# KiCad board rgbwstrip120_250_panel.kicad_pcb (continued)
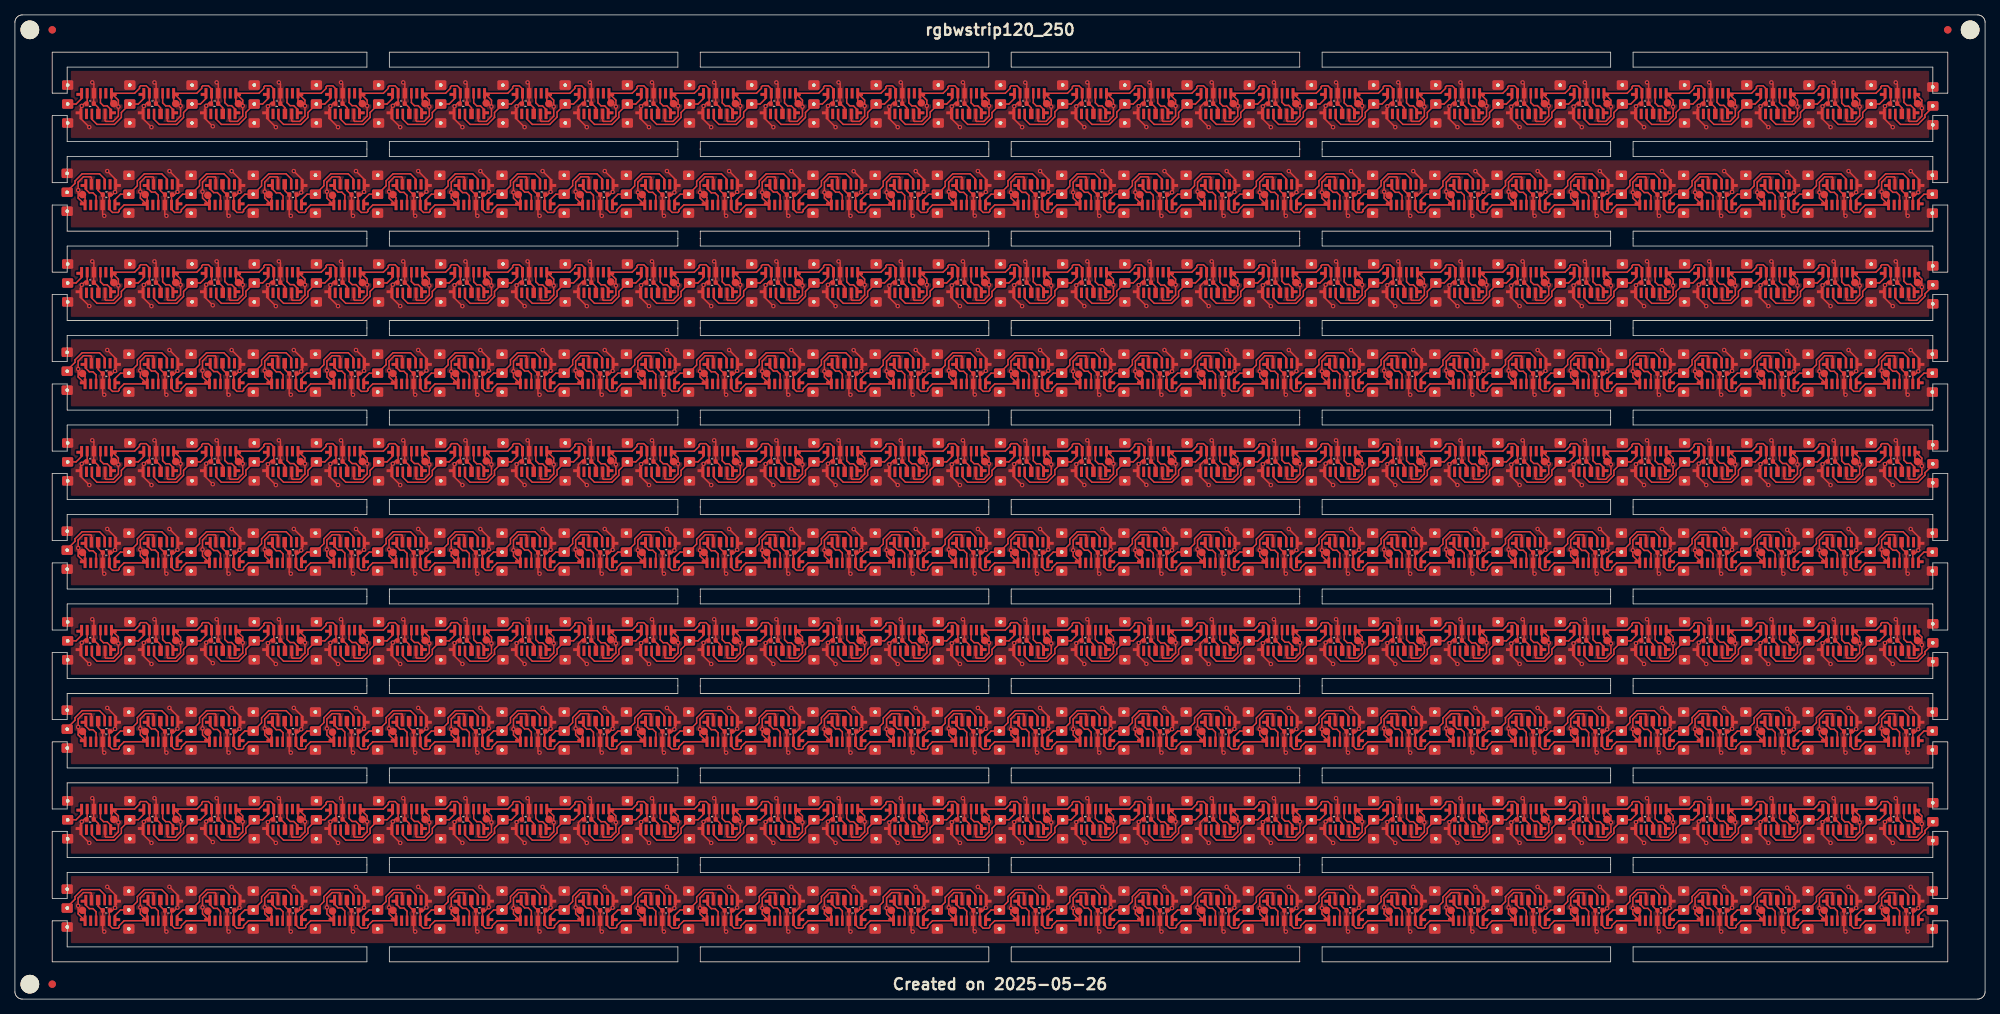
[diagram p0: board, top side]
## Routing (per net, layer and track width the routed paths; a pad name or vN(x,y) marks a point on that pad's centre or on a via; arc(x,y) is an arc through that point) (continued)
Board_3-Net-(U39-DIN): length 3.5
  Top w0.2: 94.22,83.01 94.22,83.72 93.82,84.13 93.32,84.13 92.85,84.6 92.85,85.66
Board_3-Net-(U41-DIN): length 3.5
  Top w0.2: 85.88,83.08 85.88,83.79 85.47,84.2 84.97,84.2 84.5,84.67 84.5,85.73
Board_3-Net-(U43-DIN): length 3.5
  Top w0.2: 77.53,83.08 77.53,83.79 77.12,84.2 76.62,84.2 76.15,84.67 76.15,85.73
Board_3-Net-(U45-DIN): length 3.5
  Top w0.2: 67.83,85.76 67.83,84.7 68.3,84.23 68.8,84.23 69.21,83.82 69.21,83.11
Board_3-Net-(U47-DIN): length 3.5
  Top w0.2: 59.52,85.69 59.52,84.63 59.98,84.17 60.48,84.17 60.89,83.76 60.89,83.04
Board_3-Net-(U49-DIN): length 3.5
  Top w0.2: 51.17,85.73 51.17,84.67 51.63,84.2 52.13,84.2 52.54,83.79 52.54,83.08
Board_3-Net-(U51-DIN): length 3.5
  Top w0.2: 44.21,83.11 44.21,83.82 43.8,84.23 43.3,84.23 42.83,84.7 42.83,85.76
Board_3-Net-(U53-DIN): length 3.5
  Top w0.2: 34.55,85.66 34.55,84.6 35.02,84.13 35.52,84.13 35.92,83.72 35.92,83.01
Board_3-Net-(U55-DIN): length 3.5
  Top w0.2: 27.54,83.04 27.54,83.76 27.13,84.17 26.63,84.17 26.17,84.63 26.17,85.69
Board_3-Net-(U57-DIN): length 3.5
  Top w0.2: 19.21,83.11 19.21,83.82 18.8,84.23 18.3,84.23 17.83,84.7 17.83,85.76
Board_3-Net-(U59-DIN): length 3.5
  Top w0.2: 10.88,83.01 10.88,83.72 10.47,84.13 9.97,84.13 9.5,84.6 9.5,85.66
Board_4-+3.3V: length 592.6
  Top w0.2: 188.08,73.43 188.02,73.49 ; 92.17,70.84 92.17,71.68 v1(92.27,71.78) 92.66,72.17 92.94,72.17 93.02,72.25 U22#3.5 93.02,74.07 92.59,74.5 91.85,74.5 91.7,74.35 91.7,74.15 91.04,73.49 U20#10.1 ; v1(201.63,68.95) 200.5,70.08 U47#7.1 ; 83.83,70.84 83.83,71.68 v1(83.9,71.75) 84.32,72.17 84.6,72.17 84.68,72.25 U20#10.5 84.68,74.07 84.26,74.5 83.51,74.5 83.36,74.35 83.36,74.15 82.71,73.49 U18#8.1 ; v1(251.63,68.95) 250.5,70.08 U59#4.1 ; 108.83,70.84 108.83,71.68 v1(108.95,71.8) 109.32,72.17 109.6,72.17 109.68,72.25 U26.5 109.68,74.07 109.26,74.5 108.51,74.5 108.36,74.35 108.36,74.15 107.71,73.49 U24#7.1 ; 88.08,73.43 88.02,73.49 ; U45#2.1 192.17,70.08 v1(193.3,68.95) ; U58#5.1 246.27,72.38 K25#8.1 ; U58#5.1 247.2,72.56 v1(247.2,71.7) 247.2,70.42 246.49,69.72 245.52,69.72 245.42,69.82 U57#2.5 ; U58#5.1 249.37,73.49 250.03,74.15 250.03,74.35 250.18,74.5 250.93,74.5 251.35,74.07 U60#9.5 251.35,72.25 251.27,72.17 250.99,72.17 v1(250.59,71.76) 250.5,71.68 250.5,70.84 ; 150.5,70.84 150.5,71.68 v1(150.59,71.76) 150.99,72.17 151.27,72.17 151.35,72.25 U36#4.5 151.35,74.07 150.93,74.5 150.18,74.5 150.03,74.35 150.03,74.15 149.37,73.49 U34#9.1 ; 9.68,74.07 U2#5.5 9.68,72.25 9.6,72.17 9.32,72.17 v1(8.95,71.8) 8.83,71.68 8.83,70.84 ; U10#6.1 47.2,72.56 v1(47.2,71.8) 47.2,70.42 46.49,69.72 45.52,69.72 45.42,69.82 U9#8.5 ; U10#6.1 46.27,72.38 K16#3.1 ; U10#6.1 49.37,73.49 50.03,74.15 50.03,74.35 50.18,74.5 50.93,74.5 51.35,74.07 U12#3.5 51.35,72.25 51.27,72.17 50.99,72.17 v1(50.64,71.81) 50.5,71.68 50.5,70.84 ; U50#7.1 212.93,72.52 K15#5.1 ; U50#7.1 213.86,72.56 v1(213.86,71.7) 213.86,70.42 213.16,69.72 212.19,69.72 212.08,69.82 U49#7.5 ; U50#7.1 216.04,73.49 216.7,74.15 216.7,74.35 216.85,74.5 217.59,74.5 218.02,74.07 U52#9.5 218.02,72.25 217.94,72.17 217.66,72.17 v1(217.22,71.73) 217.17,71.68 217.17,70.84 ; U56#5.1 241.04,73.49 241.7,74.15 241.7,74.35 241.85,74.5 242.59,74.5 243.02,74.07 U58#5.5 243.02,72.25 242.94,72.17 242.66,72.17 v1(242.22,71.73) 242.17,71.68 242.17,70.84 ; U56#5.1 238.86,72.56 v1(238.86,71.7) 238.86,70.42 238.16,69.72 237.19,69.72 237.08,69.82 U55#2.5 ; U56#5.1 237.93,72.42 K20#2.1 ; K12#2.1 87.93,72.42 U20#10.1 ; 142.17,70.84 142.17,71.68 v1(142.22,71.73) 142.66,72.17 142.94,72.17 143.02,72.25 U34#9.5 143.02,74.07 142.59,74.5 141.85,74.5 141.7,74.35 141.7,74.15 141.04,73.49 U32#9.1 ; U15#9.1 67.17,70.08 v1(68.3,68.95) ; v1(63.85,71.7) 63.86,72.56 U14#8.1 ; v1(63.85,71.7) 63.38,72.17 K27#5.1 62.93,72.38 U14#8.1 ; v1(63.85,71.7) 63.86,70.42 63.16,69.72 62.19,69.72 62.08,69.82 U13#8.5 ; 25.5,70.84 25.5,71.68 v1(25.64,71.81) 25.99,72.17 26.27,72.17 26.35,72.25 U6#3.5 26.35,74.07 25.93,74.5 25.18,74.5 25.03,74.35 25.03,74.15 24.37,73.49 U4#4.1 ; 38.25,73.17 U8#9.1 ; U8#9.1 41.04,73.49 41.7,74.15 41.7,74.35 41.85,74.5 42.59,74.5 43.02,74.07 U10#6.5 43.02,72.25 42.94,72.17 42.66,72.17 v1(42.27,71.78) 42.17,71.68 42.17,70.84 ; U8#9.1 37.93,72.42 K21#7.1 ; U8#9.1 38.86,72.56 v1(38.86,71.8) 38.86,70.42 38.16,69.72 37.19,69.72 37.08,69.82 U7#9.5 ; K29#8.1 254.6,72.45 U60#9.1 255.53,72.56 v1(255.53,71.5) 255.53,70.42 254.83,69.72 253.86,69.72 253.75,69.82 U59#4.5 ; U16#4.1 72.2,72.56 v1(72.2,71.7) 72.2,70.42 71.49,69.72 70.52,69.72 70.42,69.82 U15#9.5 ; U16#4.1 74.37,73.49 75.03,74.15 75.03,74.35 75.18,74.5 75.93,74.5 76.35,74.07 U18#8.5 76.35,72.25 76.27,72.17 75.99,72.17 75.5,71.68 75.5,70.84 ; U16#4.1 71.27,72.38 K2#7.1 ; U34#9.1 147.2,72.56 v1(147.2,71.8) 147.2,70.42 146.49,69.72 145.52,69.72 145.42,69.82 U33#2.5 ; U34#9.1 146.27,72.38 K4#5.1 ; U35#9.1 150.5,70.08 v1(151.61,68.96) 151.63,68.95 ; U28#8.1 122.2,72.56 v1(122.2,71.8) 122.2,70.42 121.49,69.72 120.52,69.72 120.42,69.82 U27#3.5 ; U28#8.1 121.27,72.38 K13#2.1 ; U28#8.1 124.37,73.49 125.03,74.15 125.03,74.35 125.18,74.5 125.93,74.5 126.35,74.07 U30#5.5 126.35,72.25 126.27,72.17 125.99,72.17 v1(125.54,71.71) 125.5,71.68 125.5,70.84 ; 233.83,70.84 233.83,71.68 v1(233.9,71.75) 234.32,72.17 234.6,72.17 234.68,72.25 U56#5.5 234.68,74.07 234.26,74.5 233.51,74.5 233.36,74.35 233.36,74.15 232.71,73.49 U54#6.1 ; U6#3.1 30.53,72.56 v1(30.53,71.8) 30.53,70.42 29.83,69.72 28.86,69.72 28.75,69.82 U5#8.5 ; U6#3.1 32.71,73.49 33.36,74.15 33.36,74.35 33.51,74.5 34.26,74.5 34.68,74.07 U8#9.5 34.68,72.25 34.6,72.17 34.32,72.17 v1(33.9,71.75) 33.83,71.68 33.83,70.84 ; U6#3.1 29.6,72.45 K26#6.1 ; 100.5,70.84 100.5,71.68 v1(100.59,71.76) 100.99,72.17 101.27,72.17 101.35,72.25 U24#7.5 101.35,74.07 100.93,74.5 100.18,74.5 100.03,74.35 100.03,74.15 99.37,73.49 U22#3.1 ; v1(176.63,68.95) 175.5,70.08 U41#8.1 ; U32#9.1 137.93,72.42 K8#8.1 ; U32#9.1 138.86,72.56 v1(138.86,71.7) 138.86,70.42 138.16,69.72 137.19,69.72 137.08,69.82 U31#2.5 ; U30#5.1 132.71,73.49 133.36,74.15 133.36,74.35 133.51,74.5 134.26,74.5 134.68,74.07 U32#9.5 134.68,72.25 134.6,72.17 134.32,72.17 v1(133.9,71.75) 133.83,71.68 133.83,70.84 ; U30#5.1 129.6,72.45 K18#9.1 ; U30#5.1 130.53,72.56 v1(130.53,71.8) 130.53,70.42 129.83,69.72 128.86,69.72 128.75,69.82 U29#5.5 ; v1(184.96,68.95) 183.83,70.08 U43.1 ; U46#3.1 197.2,72.56 v1(197.2,71.8) 197.2,70.42 196.49,69.72 195.52,69.72 195.42,69.82 U45#2.5 ; U46#3.1 199.37,73.49 200.03,74.15 200.03,74.35 200.18,74.5 200.93,74.5 201.35,74.07 U48#8.5 201.35,72.25 201.27,72.17 200.99,72.17 v1(200.5,71.68) 200.5,70.84 ; U46#3.1 196.27,72.38 K23#5.1 ; v1(9.96,68.95) 8.83,70.08 U1#2.1 ; 146.41,73.43 146.35,73.49 ; K5#10.1 162.93,72.42 U38#3.1 ; 254.74,73.43 254.68,73.49 ; U57#2.1 242.17,70.08 v1(243.3,68.95) ; 229.74,73.43 229.68,73.49 ; 204.74,73.43 204.68,73.49 ; 221.41,73.43 221.35,73.49 ; 196.41,73.43 196.35,73.49 ; 21.41,73.43 21.35,73.49 ; U24#7.1 104.6,72.45 K17#3.1 ; U24#7.1 105.53,72.56 v1(105.53,71.7) 105.53,70.42 104.83,69.72 103.86,69.72 103.75,69.82 U23#6.5 ; U38#3.1 163.86,72.56 v1(163.86,71.8) 163.86,70.42 163.16,69.72 162.19,69.72 162.08,69.82 U37.5 ; U38#3.1 166.04,73.49 166.7,74.15 166.7,74.35 166.85,74.5 167.59,74.5 168.02,74.07 U40#2.5 168.02,72.25 167.94,72.17 167.66,72.17 v1(167.22,71.73) 167.17,71.68 167.17,70.84 ; 175.5,70.84 175.5,71.68 v1(175.64,71.81) 175.99,72.17 176.27,72.17 176.35,72.25 U42#7.5 176.35,74.07 175.93,74.5 175.18,74.5 175.03,74.35 175.03,74.15 174.37,73.49 U40#2.1 ; U12#3.1 54.6,72.45 K11#6.1 ; U12#3.1 57.71,73.49 58.36,74.15 58.36,74.35 58.51,74.5 59.26,74.5 59.68,74.07 U14#8.5 59.68,72.25 59.6,72.17 59.32,72.17 v1(58.9,71.75) 58.83,71.68 58.83,70.84 ; U12#3.1 55.53,72.56 v1(55.53,71.7) 55.53,70.42 54.83,69.72 53.86,69.72 53.75,69.82 U11#2.5 ; 225.5,70.84 225.5,71.68 v1(225.64,71.81) 225.99,72.17 226.27,72.17 226.35,72.25 U54#6.5 226.35,74.07 225.93,74.5 225.18,74.5 225.03,74.35 225.03,74.15 224.37,73.49 U52#9.1 ; U55#2.1 233.83,70.08 v1(234.96,68.95) ; U1#2.5 12.08,69.82 12.19,69.72 13.16,69.72 13.86,70.42 v1(13.86,71.7) 13.86,72.56 U2#5.1 ; 121.41,73.43 121.35,73.49 ; 158.83,70.84 158.83,71.68 159.32,72.17 159.6,72.17 159.68,72.25 U38#3.5 159.68,74.07 159.26,74.5 158.51,74.5 158.36,74.35 158.36,74.15 157.71,73.49 U36#4.1 ; v1(168.3,68.95) 167.17,70.08 U39#3.1 ; U11#2.1 50.5,70.08 v1(51.63,68.95) ; U4#4.1 21.27,72.38 K6#2.1 ; U4#4.1 21.55,73.21 ; U4#4.1 22.2,72.56 v1(22.2,71.8) 22.2,70.42 21.49,69.72 20.52,69.72 20.42,69.82 U3#9.5 ; U36#4.1 155.53,72.56 v1(155.53,71.8) 155.53,70.42 154.83,69.72 153.86,69.72 153.75,69.82 U35#9.5 ; U36#4.1 154.6,72.45 K30#3.1 ; U48#8.1 205.53,72.56 v1(205.53,71.8) 205.53,70.42 204.83,69.72 203.86,69.72 203.75,69.82 U47#7.5 ; U48#8.1 207.71,73.49 208.36,74.15 208.36,74.35 208.51,74.5 209.26,74.5 209.68,74.07 U50#7.5 209.68,72.25 209.6,72.17 209.32,72.17 v1(208.85,71.7) 208.83,71.68 208.83,70.84 ; U48#8.1 204.6,72.45 K28#3.1 ; U54#6.1 229.6,72.45 K24#7.1 ; U54#6.1 230.53,72.56 v1(230.53,71.7) 230.53,70.42 229.83,69.72 228.86,69.72 228.75,69.82 U53#6.5 ; U20#10.1 88.86,72.56 v1(88.86,71.8) 88.86,70.42 88.16,69.72 87.19,69.72 87.08,69.82 U19#2.5 ; v1(226.63,68.95) 225.5,70.08 U53#6.1 ; 183.83,70.84 183.83,71.68 v1(183.9,71.75) 184.32,72.17 184.6,72.17 184.68,72.25 U44.5 184.68,74.07 184.26,74.5 183.51,74.5 183.36,74.35 183.36,74.15 182.71,73.49 U42#7.1 ; v1(84.96,68.95) 83.83,70.08 U19#2.1 ; U7#9.1 33.83,70.08 v1(34.96,68.95) ; v1(93.3,68.95) 92.17,70.08 U21#3.1 ; 138.08,73.43 138.02,73.49 ; U41#8.5 178.75,69.82 178.86,69.72 179.83,69.72 180.53,70.42 v1(180.53,71.8) 180.53,72.56 U42#7.1 ; U52#9.1 222.2,72.56 v1(222.2,71.7) 222.2,70.42 221.49,69.72 220.52,69.72 220.42,69.82 U51#3.5 ; U52#9.1 221.27,72.38 K19#4.1 ; U14#8.1 66.04,73.49 66.7,74.15 66.7,74.35 66.85,74.5 67.59,74.5 68.02,74.07 U16#4.5 68.02,72.25 67.94,72.17 67.66,72.17 v1(67.22,71.73) 67.17,71.68 67.17,70.84 ; 163.08,73.43 163.02,73.49 ; U44.1 191.04,73.49 191.7,74.15 191.7,74.35 191.85,74.5 192.59,74.5 193.02,74.07 U46#3.5 193.02,72.25 192.94,72.17 192.66,72.17 v1(192.22,71.73) 192.17,71.68 192.17,70.84 ; U44.1 188.86,72.56 v1(188.86,71.7) 188.86,70.42 188.16,69.72 187.19,69.72 187.08,69.82 U43.5 ; U44.1 187.93,72.42 K14#7.1 ; K9.1 171.27,72.48 U40#2.1 ; 13.25,73.18 U2#5.1 ; U2#5.1 12.93,72.42 K1#8.1 ; U2#5.1 16.04,73.49 16.7,74.15 16.7,74.35 16.85,74.5 17.59,74.5 18.02,74.07 U4#4.5 18.02,72.25 17.94,72.17 17.66,72.17 v1(17.27,71.78) 17.17,71.68 17.17,70.84 ; 29.74,73.43 29.68,73.49 ; U39#3.5 170.42,69.82 170.52,69.72 171.49,69.72 172.2,70.42 v1(172.2,71.8) 172.2,72.56 U40#2.1 ; U17#6.1 75.5,70.08 v1(76.63,68.95) ; 96.41,73.43 96.35,73.49 ; U18#8.1 79.6,72.45 K7#10.1 80.03,72.2 v1(80.53,71.7) ; U18#8.1 80.53,72.56 v1(80.53,71.7) ; U27#3.1 117.17,70.08 v1(118.3,68.95) ; v1(80.53,71.7) 80.53,70.42 79.83,69.72 78.86,69.72 78.75,69.82 U17#6.5 ; U22#3.1 96.27,72.38 K22#8.1 ; U22#3.1 97.2,72.56 v1(97.2,71.8) 97.2,70.42 96.49,69.72 95.52,69.72 95.42,69.82 U21#3.5 ; U51#3.1 217.17,70.08 v1(218.3,68.95) ; U49#7.1 208.83,70.08 v1(209.96,68.95) ; U25#10.1 108.83,70.08 v1(109.96,68.95) ; U26.1 113.86,72.56 v1(113.86,71.8) 113.86,70.42 113.16,69.72 112.19,69.72 112.08,69.82 U25#10.5 ; U26.1 116.04,73.49 116.7,74.15 116.7,74.35 116.85,74.5 117.59,74.5 118.02,74.07 U28#8.5 118.02,72.25 117.94,72.17 117.66,72.17 v1(117.17,71.68) 117.17,71.68 117.17,70.84 ; U26.1 112.93,72.42 K3#2.1 ; 213.08,73.43 213.02,73.49 ; 129.74,73.43 129.68,73.49 ; 26.63,68.95 v1(26.51,69.06) 25.5,70.08 U5#8.1 ; v1(18.3,68.95) 17.17,70.08 U3#9.1 ; v1(43.3,68.95) 42.17,70.08 U9#8.1 ; 46.41,73.43 46.35,73.49 ; U13#8.1 58.83,70.08 v1(59.96,68.95) ; K10#3.1 179.6,72.45 U42#7.1 ; 104.74,73.43 104.68,73.49 ; U29#5.1 125.5,70.08 v1(126.63,68.95) ; 54.74,73.43 54.68,73.49 ; 113.08,73.43 113.02,73.49 ; 63.08,73.43 63.02,73.49 ; v1(101.63,68.95) 100.5,70.08 U23#6.1 ; v1(143.3,68.95) 142.17,70.08 U33#2.1 ; 171.41,73.43 171.35,73.49 ; 238.08,73.43 238.02,73.49 ; 13.08,73.43 13.02,73.49 ; 71.41,73.43 71.35,73.49 ; 154.74,73.43 154.68,73.49 ; U31#2.1 133.83,70.08 v1(134.96,68.95) ; 38.08,73.43 38.02,73.49 ; 79.74,73.43 79.68,73.49 ; 246.41,73.43 246.35,73.49 ; v1(159.96,68.95) 158.83,70.08 U37.1 ; 179.74,73.43 179.68,73.49
Board_4-GND: length 133.9
  Top w0.2: v1(43.7,74.95) 43.92,74.73 U10#6.4 43.9,73.47 43.9,72.17 44.52,71.55 44.52,70.84 ; v1(152.03,74.95) 152.25,74.73 U36#4.4 152.23,73.47 152.23,72.17 152.85,71.55 152.85,70.84 ; v1(110.36,74.95) 110.58,74.73 U26.4 110.56,73.47 110.56,72.17 111.18,71.55 111.18,70.84 ; 244.52,70.84 244.52,71.55 243.9,72.17 243.9,73.47 U58#5.4 243.92,74.73 v1(243.7,74.95) 243.7,74.95 ; 94.52,70.84 94.52,71.55 93.9,72.17 93.9,73.47 U22#3.4 93.92,74.73 v1(93.7,74.95) ; 177.85,70.84 177.85,71.55 177.23,72.17 177.23,73.47 U42#7.4 177.25,74.73 v1(177.03,74.95) ; 52.85,70.84 52.85,71.55 52.23,72.17 52.23,73.47 U12#3.4 52.25,74.73 v1(52.03,74.95) ; 102.85,70.84 102.85,71.55 102.23,72.17 102.23,73.47 U24#7.4 102.25,74.73 v1(102.03,74.95) ; v1(10.36,74.95) 10.58,74.73 U2#5.4 10.56,73.47 10.56,72.17 11.18,71.55 11.18,70.84 ; 127.85,70.84 127.85,71.55 127.23,72.17 127.23,73.47 U30#5.4 127.25,74.73 v1(127.03,74.95) ; 136.18,70.84 136.18,71.55 135.56,72.17 135.56,73.47 U32#9.4 135.58,74.73 v1(135.38,74.93) 135.36,74.95 ; 186.18,70.84 186.18,71.55 185.56,72.17 185.56,73.47 U44.4 185.58,74.73 v1(185.36,74.95) ; v1(168.7,74.95) 168.92,74.73 U40#2.4 168.9,73.47 168.9,72.17 169.52,71.55 169.52,70.84 ; 211.18,70.84 211.18,71.55 210.56,72.17 210.56,73.47 U50#7.4 210.58,74.73 v1(210.36,74.95) ; v1(27.03,74.95) 27.25,74.73 U6#3.4 27.23,73.47 27.23,72.17 27.85,71.55 27.85,70.84 ; 236.18,70.84 236.18,71.55 235.56,72.17 235.56,73.47 U56#5.4 235.58,74.73 v1(235.36,74.95) ; v1(160.36,74.95) 160.58,74.73 U38#3.4 160.56,73.47 160.56,72.17 161.18,71.55 161.18,70.84 ; 144.52,70.84 144.52,71.55 143.9,72.17 143.9,73.47 U34#9.4 143.92,74.73 v1(143.7,74.95) ; v1(252.03,74.95) 252.25,74.73 U60#9.4 252.23,73.47 252.23,72.17 252.85,71.55 252.85,70.84 ; 77.85,70.84 77.85,71.55 77.23,72.17 77.23,73.47 U18#8.4 77.25,74.73 v1(77.03,74.95) ; v1(118.7,74.95) 118.92,74.73 U28#8.4 118.9,73.47 118.9,72.17 119.52,71.55 119.52,70.84 ; 194.52,70.84 194.52,71.55 193.9,72.17 193.9,73.47 U46#3.4 193.92,74.73 v1(193.7,74.95) ; v1(68.7,74.95) 68.92,74.73 U16#4.4 68.9,73.47 68.9,72.17 69.52,71.55 69.52,70.84 ; v1(227.03,74.95) 227.25,74.73 U54#6.4 227.23,73.47 227.23,72.17 227.85,71.55 227.85,70.84 ; v1(18.7,74.95) 18.92,74.73 U4#4.4 18.9,73.47 18.9,72.17 19.52,71.55 19.52,70.84 ; v1(60.36,74.95) 60.58,74.73 U14#8.4 60.56,73.47 60.56,72.17 61.18,71.55 61.18,70.84 ; v1(35.36,74.95) 35.58,74.73 U8#9.4 35.56,73.47 35.56,72.17 36.18,71.55 36.18,70.84 ; 219.52,70.84 219.52,71.55 218.9,72.17 218.9,73.47 U52#9.4 218.92,74.73 v1(218.7,74.95) ; 202.85,70.84 202.85,71.55 202.23,72.17 202.23,73.47 U48#8.4 202.25,74.73 v1(202.03,74.95) ; 86.18,70.84 86.18,71.55 85.56,72.17 85.56,73.47 U20#10.4 85.58,74.73 v1(85.36,74.95)
Board_4-Net-(J1-Pin_2): length 2.8
  Top w0.2: U2#5.6 8.93,72.79 8.19,72.05 7.16,72.05
Board_4-Net-(J2-Pin_2): length 10.4
  Top w0.2: U4#4.6 17.27,72.79 16.53,72.05 15.5,72.05 ; J2#7.2 14.26,70.91 14.26,70.25 13.33,69.32 10.99,69.32 10.31,70 10.31,70.72
Board_4-Net-(J3-Pin_2): length 10.4
  Top w0.2: 18.65,70.72 18.65,70 19.33,69.32 21.66,69.32 22.6,70.25 22.6,70.91 J3.2 ; 23.83,72.05 24.86,72.05 25.6,72.79 U6#3.6
Board_4-Net-(J4-Pin_2): length 10.4
  Top w0.2: J4#9.2 30.95,70.93 30.95,70.27 30,69.32 27.66,69.32 26.98,70 26.98,70.72 ; 32.16,72.05 33.19,72.05 33.93,72.79 U8#9.6
Board_4-Net-(J5-Pin_2): length 10.4
  Top w0.2: 40.5,72.05 41.53,72.05 42.27,72.79 U10#6.6 ; J5#10.2 39.26,70.91 39.26,70.25 38.33,69.32 35.99,69.32 35.31,70 35.31,70.72
Board_4-Net-(J6-Pin_2): length 10.4
  Top w0.2: 48.83,72.05 49.86,72.05 50.6,72.79 U12#3.6 ; 43.65,70.72 43.65,70 44.33,69.32 46.66,69.32 47.6,70.25 47.6,70.91 J6#10.2
Board_4-Net-(J7-Pin_2): length 10.4
  Top w0.2: 57.16,72.05 58.19,72.05 58.93,72.79 U14#8.6 ; J7#10.2 55.93,70.91 55.93,70.25 55,69.32 52.66,69.32 51.98,70 51.98,70.72
Board_4-Net-(J8-Pin_2): length 10.4
  Top w0.2: J8#3.2 64.26,70.91 64.26,70.42 64.27,70.26 64.26,70.26 64.26,70.25 63.33,69.32 60.99,69.32 60.31,70 60.31,70.72 ; 65.5,72.05 66.53,72.05 67.27,72.79 U16#4.6
Board_4-Net-(J9-Pin_2): length 10.4
  Top w0.2: U18#8.6 75.6,72.79 74.86,72.05 73.83,72.05 ; J9#6.2 72.65,70.97 72.65,70.3 71.66,69.32 69.33,69.32 68.65,70 68.65,70.72
Board_4-Net-(J10-Pin_2): length 10.4
  Top w0.2: 82.16,72.05 83.19,72.05 83.93,72.79 U20#10.6 ; 76.98,70.72 76.98,70 77.66,69.32 80,69.32 80.93,70.25 80.93,70.91 J10#2.2
Board_4-Net-(J11-Pin_2): length 10.4
  Top w0.2: U22#3.6 92.27,72.79 91.53,72.05 90.5,72.05 ; 85.31,70.72 85.31,70 85.99,69.32 88.33,69.32 89.26,70.25 89.26,70.91 J11#9.2
Board_4-Net-(J12-Pin_2): length 10.4
  Top w0.2: 98.83,72.05 99.86,72.05 100.6,72.79 U24#7.6 ; J12#6.2 97.65,70.97 97.65,70.3 96.66,69.32 94.33,69.32 93.65,70 93.65,70.72
Board_4-Net-(J13-Pin_2): length 10.4
  Top w0.2: 101.98,70.72 101.98,70 102.66,69.32 105,69.32 105.93,70.25 105.93,70.91 J13#6.2 ; 107.16,72.05 108.19,72.05 108.93,72.79 U26.6
Board_4-Net-(J14-Pin_2): length 10.4
  Top w0.2: 110.31,70.72 110.31,70 110.99,69.32 113.33,69.32 113.33,69.32 114.26,70.25 114.26,70.91 J14#4.2 ; U28#8.6 117.27,72.79 116.53,72.05 115.5,72.05
Board_4-Net-(J15-Pin_2): length 10.4
  Top w0.2: J15#3.2 122.65,70.97 122.65,70.3 121.66,69.32 119.33,69.32 118.65,70 118.65,70.72 ; 123.83,72.05 124.86,72.05 125.6,72.79 U30#5.6
Board_4-Net-(J16-Pin_2): length 10.4
  Top w0.2: 132.16,72.05 133.19,72.05 133.93,72.79 U32#9.6 ; J16#8.2 130.93,70.91 130.93,70.25 130,69.32 127.66,69.32 126.98,70 126.98,70.72
Board_4-Net-(J17-Pin_2): length 10.4
  Top w0.2: 135.31,70.72 135.31,70 135.99,69.32 138.33,69.32 139.35,70.33 139.35,71 J17#2.2 ; 140.5,72.05 141.53,72.05 142.27,72.79 U34#9.6
Board_4-Net-(J18-Pin_2): length 10.4
  Top w0.2: 143.65,70.72 143.65,70 144.33,69.32 146.66,69.32 147.65,70.3 147.65,70.97 J18#5.2 ; U36#4.6 150.6,72.79 149.86,72.05 148.83,72.05
Board_4-Net-(J19-Pin_2): length 10.4
  Top w0.2: 151.98,70.72 151.98,70 152.66,69.32 155,69.32 155.93,70.25 155.93,70.91 J19#3.2 ; 157.16,72.05 158.19,72.05 158.93,72.79 U38#3.6
Board_4-Net-(J20-Pin_2): length 10.4
  Top w0.2: U40#2.6 167.27,72.79 166.53,72.05 165.5,72.05 ; 160.31,70.72 160.31,70 160.99,69.32 163.33,69.32 164.26,70.25 164.26,70.91 J20#9.2
Board_4-Net-(J21-Pin_2): length 10.4
  Top w0.2: 173.83,72.05 174.86,72.05 175.6,72.79 U42#7.6 ; J21#3.2 172.65,70.97 172.65,70.3 171.66,69.32 169.33,69.32 168.65,70 168.65,70.72
Board_4-Net-(J22-Pin_2): length 10.4
  Top w0.2: J22.2 180.95,70.93 180.95,70.27 180,69.32 177.66,69.32 176.98,70 176.98,70.72 ; U44.6 183.93,72.79 183.19,72.05 182.16,72.05
Board_4-Net-(J23-Pin_2): length 10.4
  Top w0.2: 190.5,72.05 191.53,72.05 192.27,72.79 U46#3.6 ; 185.31,70.72 185.31,70 185.99,69.32 188.33,69.32 189.26,70.25 189.26,70.91 J23#6.2
Board_4-Net-(J24-Pin_2): length 10.4
  Top w0.2: 198.83,72.05 199.86,72.05 200.6,72.79 U48#8.6 ; 193.65,70.72 193.65,70 194.33,69.32 196.66,69.32 197.6,70.25 197.6,70.91 J24#10.2
Board_4-Net-(J25-Pin_2): length 10.4
  Top w0.2: J25#9.2 205.95,70.93 205.95,70.27 205,69.32 202.66,69.32 201.98,70 201.98,70.72 ; U50#7.6 208.93,72.79 208.19,72.05 207.16,72.05
Board_4-Net-(J26-Pin_2): length 10.4
  Top w0.2: U52#9.6 217.27,72.79 216.53,72.05 215.5,72.05 ; J26#10.2 214.26,70.91 214.26,70.25 213.33,69.32 210.99,69.32 210.31,70 210.31,70.72
Board_4-Net-(J27-Pin_2): length 10.4
  Top w0.2: U54#6.6 225.6,72.79 224.86,72.05 223.83,72.05 ; 218.65,70.72 218.65,70 219.33,69.32 221.66,69.32 222.6,70.25 222.6,70.91 J27#4.2
Board_4-Net-(J28-Pin_2): length 10.4
  Top w0.2: 232.16,72.05 233.19,72.05 233.93,72.79 U56#5.6 ; 226.98,70.72 226.98,70 227.66,69.32 230,69.32 230.95,70.27 230.95,70.93 J28#3.2
Board_4-Net-(J29-Pin_2): length 10.4
  Top w0.2: 240.5,72.05 241.53,72.05 242.27,72.79 U58#5.6 ; J29#8.2 239.26,70.91 239.26,70.25 238.33,69.32 235.99,69.32 235.31,70 235.31,70.72
Board_4-Net-(J30-Pin_2): length 10.4
  Top w0.2: 248.83,72.05 249.86,72.05 250.6,72.79 U60#9.6 ; J30#7.2 247.6,70.91 247.6,70.25 246.66,69.32 244.33,69.32 243.65,70 243.65,70.72
Board_4-Net-(J31-Pin_2): length 7.2
  Top w0.2: 251.98,70.72 251.98,70 252.66,69.32 255,69.32 255.95,70.27 255.95,70.6 256.6,71.25 256.6,71.79
Board_4-Net-(U1-DIN): length 3.5
  Top w0.2: 11.46,72.92 11.46,72.21 11.87,71.8 12.37,71.8 12.83,71.33 12.83,70.27
Board_4-Net-(U3-DIN): length 3.5
  Top w0.2: 19.79,72.92 19.79,72.21 20.2,71.8 20.7,71.8 21.17,71.33 21.17,70.27
Board_4-Net-(U5-DIN): length 3.5
  Top w0.2: 29.5,70.3 29.5,71.36 29.03,71.83 28.53,71.83 28.12,72.24 28.12,72.95
Board_4-Net-(U7-DIN): length 3.5
  Top w0.2: 37.83,70.3 37.83,71.36 37.37,71.83 36.87,71.83 36.46,72.24 36.46,72.95
Board_4-Net-(U10-DOUT): length 3.5
  Top w0.2: 46.15,70.3 46.15,71.36 45.68,71.83 45.18,71.83 44.77,72.24 44.77,72.95
Board_4-Net-(U11-DIN): length 3.5
  Top w0.2: 53.12,72.95 53.12,72.24 53.53,71.83 54.03,71.83 54.5,71.36 54.5,70.3
Board_4-Net-(U13-DIN): length 3.5
  Top w0.2: 62.85,70.27 62.85,71.33 62.38,71.8 61.88,71.8 61.47,72.21 61.47,72.92
Board_4-Net-(U15-DIN): length 3.5
  Top w0.2: 71.17,70.27 71.17,71.33 70.7,71.8 70.2,71.8 69.79,72.21 69.79,72.92
Board_4-Net-(U17-DIN): length 3.5
  Top w0.2: 79.5,70.27 79.5,71.33 79.03,71.8 78.53,71.8 78.12,72.21 78.12,72.92
Board_4-Net-(U19-DIN): length 3.5
  Top w0.2: 86.46,72.92 86.46,72.21 86.87,71.8 87.37,71.8 87.83,71.33 87.83,70.27
Board_4-Net-(U21-DIN): length 3.5
  Top w0.2: 94.78,72.92 94.78,72.21 95.18,71.8 95.68,71.8 96.15,71.33 96.15,70.27
Board_4-Net-(U23-DIN): length 3.5
  Top w0.2: 103.12,72.92 103.12,72.21 103.53,71.8 104.03,71.8 104.5,71.33 104.5,70.27
Board_4-Net-(U25-DIN): length 3.5
  Top w0.2: 112.83,70.27 112.83,71.33 112.37,71.8 111.87,71.8 111.46,72.21 111.46,72.92
Board_4-Net-(U27-DIN): length 3.5
  Top w0.2: 119.78,72.92 119.78,72.21 120.18,71.8 120.68,71.8 121.15,71.33 121.15,70.27
Board_4-Net-(U29-DIN): length 3.5
  Top w0.2: 129.5,70.27 129.5,71.33 129.03,71.8 128.53,71.8 128.12,72.21 128.12,72.92
Board_4-Net-(U31-DIN): length 3.5
  Top w0.2: 137.83,70.27 137.83,71.33 137.37,71.8 136.87,71.8 136.46,72.21 136.46,72.92
Board_4-Net-(U33-DIN): length 3.5
  Top w0.2: 146.15,70.27 146.15,71.33 145.68,71.8 145.18,71.8 144.78,72.21 144.78,72.92
Board_4-Net-(U35-DIN): length 3.5
  Top w0.2: 153.12,72.89 153.12,72.18 153.53,71.77 154.03,71.77 154.5,71.3 154.5,70.24
Board_4-Net-(U37-DIN): length 3.5
  Top w0.2: 161.46,72.89 161.46,72.18 161.87,71.77 162.37,71.77 162.83,71.3 162.83,70.24
Board_4-Net-(U39-DIN): length 3.5
  Top w0.2: 169.78,72.99 169.78,72.28 170.18,71.87 170.68,71.87 171.15,71.4 171.15,70.34
Board_4-Net-(U41-DIN): length 3.5
  Top w0.2: 179.5,70.27 179.5,71.33 179.03,71.8 178.53,71.8 178.12,72.21 178.12,72.92
Board_4-Net-(U43-DIN): length 3.5
  Top w0.2: 186.47,72.92 186.47,72.21 186.88,71.8 187.38,71.8 187.85,71.33 187.85,70.27
Board_4-Net-(U45-DIN): length 3.5
  Top w0.2: 194.79,72.89 194.79,72.18 195.2,71.77 195.7,71.77 196.17,71.3 196.17,70.24
Board_4-Net-(U47-DIN): length 3.5
  Top w0.2: 203.11,72.96 203.11,72.24 203.52,71.83 204.02,71.83 204.48,71.37 204.48,70.31
Board_4-Net-(U49-DIN): length 3.5
  Top w0.2: 211.46,72.92 211.46,72.21 211.87,71.8 212.37,71.8 212.83,71.33 212.83,70.27
Board_4-Net-(U51-DIN): length 3.5
  Top w0.2: 221.17,70.24 221.17,71.3 220.7,71.77 220.2,71.77 219.79,72.18 219.79,72.89
Board_4-Net-(U53-DIN): length 3.5
  Top w0.2: 229.45,70.34 229.45,71.4 228.98,71.87 228.48,71.87 228.07,72.28 228.07,72.99
Board_4-Net-(U55-DIN): length 3.5
  Top w0.2: 236.46,72.96 236.46,72.24 236.87,71.83 237.37,71.83 237.83,71.37 237.83,70.31
Board_4-Net-(U57-DIN): length 3.5
  Top w0.2: 246.17,70.24 246.17,71.3 245.7,71.77 245.2,71.77 244.79,72.18 244.79,72.89
Board_4-Net-(U59-DIN): length 3.5
  Top w0.2: 253.12,72.99 253.12,72.28 253.53,71.87 254.03,71.87 254.5,71.4 254.5,70.34
Board_5-+3.3V: length 592.6
  Top w0.2: U51#2.5 43.58,62.18 43.48,62.28 42.51,62.28 41.8,61.58 v1(41.8,60.3) 41.8,59.44 U52#3.1 ; 113.5,61.16 113.5,60.32 v1(113.41,60.24) 113.01,59.83 112.73,59.83 112.65,59.75 U36#8.5 112.65,57.93 113.07,57.5 113.82,57.5 113.97,57.65 113.97,57.85 114.63,58.51 U34#3.1 ; U17#8.5 185.25,62.18 185.14,62.28 184.17,62.28 183.47,61.58 v1(183.47,60.3) ; U18#7.1 181.29,58.51 180.64,57.85 180.64,57.65 180.49,57.5 179.74,57.5 179.32,57.93 U20#6.5 179.32,59.75 179.4,59.83 179.68,59.83 v1(180.1,60.25) 180.17,60.32 180.17,61.16 ; U18#7.1 183.47,59.44 v1(183.47,60.3) ; U18#7.1 184.4,59.55 K7#4.1 183.97,59.8 v1(183.47,60.3) ; K6#5.1 242.73,59.62 U4#5.1 ; 255.17,61.16 255.17,60.32 v1(255.05,60.2) 254.68,59.83 254.4,59.83 254.32,59.75 U2#10.5 254.32,57.93 ; 138.5,61.16 138.5,60.32 v1(138.46,60.29) 138.01,59.83 137.73,59.83 137.65,59.75 U30#10.5 137.65,57.93 138.07,57.5 138.82,57.5 138.97,57.65 138.97,57.85 139.63,58.51 U28#2.1 ; U24#6.1 159.4,59.55 K17#10.1 ; U24#6.1 156.29,58.51 155.64,57.85 155.64,57.65 155.49,57.5 154.74,57.5 154.32,57.93 U26#5.5 154.32,59.75 154.4,59.83 154.68,59.83 v1(155.05,60.2) 155.17,60.32 155.17,61.16 ; U24#6.1 158.47,59.44 v1(158.47,60.3) 158.47,61.58 159.17,62.28 160.14,62.28 160.25,62.18 U23#7.5 ; U9#6.5 218.58,62.18 218.48,62.28 217.51,62.28 216.8,61.58 v1(216.8,60.2) 216.8,59.44 U10#3.1 ; 75.92,58.57 75.98,58.51 ; K4#10.1 117.73,59.62 U34#3.1 ; U31#10.5 126.92,62.18 126.81,62.28 125.84,62.28 125.14,61.58 v1(125.14,60.3) 125.14,59.44 U32#10.1 ; v1(62.37,63.05) 63.5,61.92 U47#4.1 ; U38#2.1 100.14,59.44 v1(100.14,60.2) 100.14,61.58 100.84,62.28 101.81,62.28 101.92,62.18 U37#3.5 ; U38#2.1 101.07,59.58 K5.1 ; U38#2.1 97.96,58.51 97.3,57.85 97.3,57.65 97.15,57.5 96.41,57.5 95.98,57.93 U40#10.5 95.98,59.75 96.06,59.83 96.34,59.83 v1(96.78,60.27) 96.83,60.32 96.83,61.16 ; K28#10.1 59.4,59.55 U48#7.1 ; 192.59,58.57 192.65,58.51 ; v1(12.37,63.05) 13.5,61.92 U59#6.1 ; 38.5,61.16 38.5,60.32 v1(38.36,60.19) 38.01,59.83 37.73,59.83 37.65,59.75 U54.5 37.65,57.93 38.07,57.5 38.82,57.5 38.97,57.65 38.97,57.85 39.63,58.51 U52#3.1 ; U56#10.1 26.07,59.58 K20#4.1 ; U56#10.1 25.14,59.44 v1(25.14,60.3) 25.14,61.58 25.84,62.28 26.81,62.28 26.92,62.18 U55.5 ; U56#10.1 22.96,58.51 22.3,57.85 22.3,57.65 22.15,57.5 21.41,57.5 20.98,57.93 U58#2.5 20.98,59.75 21.06,59.83 21.34,59.83 v1(21.78,60.27) 21.83,60.32 21.83,61.16 ; U57#9.5 18.58,62.18 18.48,62.28 17.51,62.28 16.8,61.58 v1(16.8,60.3) 16.8,59.44 U58#2.1 ; U14#10.1 197.96,58.51 197.3,57.85 197.3,57.65 197.15,57.5 196.41,57.5 195.98,57.93 U16#10.5 195.98,59.75 196.06,59.83 196.34,59.83 v1(196.78,60.27) 196.83,60.32 196.83,61.16 ; U14#10.1 201.07,59.62 K27#7.1 200.62,59.83 v1(200.15,60.3) ; U14#10.1 200.14,59.44 v1(200.15,60.3) ; U50#5.1 47.96,58.51 47.3,57.85 47.3,57.65 47.15,57.5 46.41,57.5 45.98,57.93 U52#3.5 45.98,59.75 46.06,59.83 46.34,59.83 v1(46.78,60.27) 46.83,60.32 46.83,61.16 ; U50#5.1 50.14,59.44 v1(50.14,60.3) 50.14,61.58 50.84,62.28 51.81,62.28 51.92,62.18 U49#8.5 ; U50#5.1 51.07,59.48 K15#6.1 ; U29#10.1 138.5,61.92 v1(137.37,63.05) ; v1(212.37,63.05) 213.5,61.92 U11.1 ; U53#9.5 35.25,62.18 35.14,62.28 34.17,62.28 33.47,61.58 v1(33.47,60.3) 33.47,59.44 U54.1 ; 175.92,58.57 175.98,58.51 ; v1(129.04,63.05) 130.17,61.92 U31#10.1 ; U46#9.1 67.73,59.62 K23#8.1 ; U46#9.1 66.8,59.44 v1(66.8,60.2) 66.8,61.58 67.51,62.28 68.48,62.28 68.58,62.18 U45#9.5 ; U46#9.1 64.63,58.51 63.97,57.85 63.97,57.65 63.82,57.5 63.07,57.5 62.65,57.93 U48#7.5 62.65,59.75 62.73,59.83 63.01,59.83 v1(63.5,60.32) 63.5,61.16 ; U26#5.1 147.96,58.51 147.3,57.85 147.3,57.65 147.15,57.5 146.41,57.5 145.98,57.93 U28#2.5 145.98,59.75 146.06,59.83 146.34,59.83 v1(146.83,60.32) 146.83,60.32 146.83,61.16 ; U26#5.1 150.14,59.44 v1(150.14,60.2) 150.14,61.58 150.84,62.28 151.81,62.28 151.92,62.18 U25#7.5 ; U26#5.1 151.07,59.58 K3#10.1 ; U15#2.5 193.58,62.18 193.48,62.28 192.51,62.28 191.8,61.58 v1(191.8,60.3) 191.8,59.44 U16#10.1 ; 80.17,61.16 80.17,60.32 v1(80.1,60.25) 79.68,59.83 79.4,59.83 79.32,59.75 U44#2.5 79.32,57.93 79.74,57.5 80.49,57.5 80.64,57.65 80.64,57.85 81.29,58.51 U42#10.1 ; K8#10.1 126.07,59.58 U32#10.1 ; U7.5 226.92,62.18 226.81,62.28 225.84,62.28 225.14,61.58 v1(225.14,60.2) 225.14,59.44 U8#10.1 ; U42#10.1 84.4,59.55 K10#5.1 ; U42#10.1 83.47,59.44 v1(83.47,60.2) 83.47,61.58 84.17,62.28 85.14,62.28 85.25,62.18 U41#4.5 ; 246.83,61.16 246.83,60.32 v1(246.73,60.22) 246.34,59.83 246.06,59.83 245.98,59.75 U4#5.5 245.98,57.93 246.41,57.5 247.15,57.5 247.3,57.65 247.3,57.85 247.96,58.51 U2#10.1 ; v1(200.15,60.3) 200.14,61.58 200.84,62.28 201.81,62.28 201.92,62.18 U13.5 ; U43#7.5 76.92,62.18 76.81,62.28 75.84,62.28 75.14,61.58 v1(75.14,60.3) 75.14,59.44 U44#2.1 ; 225.75,58.83 U8#10.1 ; U8#10.1 226.07,59.58 K21#5.1 ; U8#10.1 222.96,58.51 222.3,57.85 222.3,57.65 222.15,57.5 221.41,57.5 220.98,57.93 U10#3.5 220.98,59.75 221.06,59.83 221.34,59.83 v1(221.73,60.22) 221.83,60.32 221.83,61.16 ; v1(154.04,63.05) 155.17,61.92 U25#7.1 ; 134.26,58.57 134.32,58.51 ; U28#2.1 142.73,59.62 K13#10.1 ; U28#2.1 141.8,59.44 v1(141.8,60.2) 141.8,61.58 142.51,62.28 143.48,62.28 143.58,62.18 U27#4.5 ; K22#9.1 167.73,59.62 U22#5.1 ; U44#2.1 72.96,58.51 72.3,57.85 72.3,57.65 72.15,57.5 71.41,57.5 70.98,57.93 U46#9.5 70.98,59.75 71.06,59.83 71.34,59.83 v1(71.78,60.27) 71.83,60.32 71.83,61.16 ; U44#2.1 76.07,59.58 K14#4.1 ; 42.59,58.57 42.65,58.51 ; U12#7.1 209.4,59.55 K11#2.1 ; U12#7.1 206.29,58.51 205.64,57.85 205.64,57.65 205.49,57.5 204.74,57.5 204.32,57.93 U14#10.5 204.32,59.75 204.4,59.83 204.68,59.83 v1(205.1,60.25) 205.17,60.32 205.17,61.16 ; U12#7.1 208.47,59.44 v1(208.47,60.3) 208.47,61.58 209.17,62.28 210.14,62.28 210.25,62.18 U11.5 ; U10#3.1 214.63,58.51 213.97,57.85 213.97,57.65 213.82,57.5 213.07,57.5 212.65,57.93 U12#7.5 212.65,59.75 212.73,59.83 213.01,59.83 v1(213.36,60.19) 213.5,60.32 213.5,61.16 ; U10#3.1 217.73,59.62 K16#5.1 ; U40#10.1 92.73,59.52 K9#9.1 ; U40#10.1 91.8,59.44 v1(91.8,60.2) 91.8,61.58 92.51,62.28 93.48,62.28 93.58,62.18 U39#5.5 ; U40#10.1 89.63,58.51 88.97,57.85 88.97,57.65 88.82,57.5 88.07,57.5 87.65,57.93 U42#10.5 87.65,59.75 87.73,59.83 88.01,59.83 v1(88.36,60.19) 88.5,60.32 88.5,61.16 ; U5#10.5 235.25,62.18 235.14,62.28 234.17,62.28 233.47,61.58 v1(233.47,60.2) 233.47,59.44 U6.1 ; 84.26,58.57 84.32,58.51 ; 209.26,58.57 209.32,58.51 ; U6.1 234.4,59.55 K26#9.1 ; U6.1 231.29,58.51 230.64,57.85 230.64,57.65 230.49,57.5 229.74,57.5 229.32,57.93 U8#10.5 229.32,59.75 229.4,59.83 229.68,59.83 v1(230.1,60.25) 230.17,60.32 230.17,61.16 ; v1(195.7,63.05) 196.83,61.92 U15#2.1 ; K25#2.1 17.73,59.62 U58#2.1 ; K18#7.1 134.4,59.55 U30#10.1 ; U1#9.1 255.17,61.92 v1(254.04,63.05) ; 150.92,58.57 150.98,58.51 ; U3#5.5 243.58,62.18 243.48,62.28 242.51,62.28 241.8,61.58 v1(241.8,60.2) 241.8,59.44 U4#5.1 ; v1(229.04,63.05) 230.17,61.92 U7.1 ; U2#10.1 250.14,59.44 v1(250.14,60.3) 250.14,61.58 250.84,62.28 251.81,62.28 251.92,62.18 U1#9.5 ; U2#10.1 251.07,59.58 K1.1 ; U2#10.1 250.75,58.82 ; 55.17,61.16 55.17,60.32 v1(55.15,60.3) 54.68,59.83 54.4,59.83 54.32,59.75 U50#5.5 54.32,57.93 54.74,57.5 55.49,57.5 55.64,57.65 55.64,57.85 56.29,58.51 U48#7.1 ; 25.92,58.57 25.98,58.51 ; v1(204.04,63.05) 205.17,61.92 U13.1 ; v1(45.7,63.05) 46.83,61.92 U51#2.1 ; v1(70.7,63.05) 71.83,61.92 U45#9.1 ; 167.59,58.57 167.65,58.51 ; 159.26,58.57 159.32,58.51 ; U16#10.1 192.73,59.62 K2#9.1 ; U16#10.1 189.63,58.51 188.97,57.85 188.97,57.65 188.82,57.5 188.07,57.5 187.65,57.93 U18#7.5 187.65,59.75 187.73,59.83 188.01,59.83 188.5,60.32 188.5,61.16 ; U36#8.1 108.47,59.44 v1(108.47,60.2) 108.47,61.58 109.17,62.28 110.14,62.28 110.25,62.18 U35#5.5 ; U36#8.1 109.4,59.55 K30#2.1 ; U36#8.1 106.29,58.51 105.64,57.85 105.64,57.65 105.49,57.5 104.74,57.5 104.32,57.93 U38#2.5 104.32,59.75 104.4,59.83 104.68,59.83 105.17,60.32 105.17,61.16 ; 9.26,58.57 9.32,58.51 ; v1(79.04,63.05) 80.17,61.92 U43#7.1 ; U57#9.1 21.83,61.92 v1(20.7,63.05) ; U5#10.1 238.5,61.92 v1(237.49,62.94) 237.37,63.05 ; U39#5.1 96.83,61.92 v1(95.7,63.05) ; 117.59,58.57 117.65,58.51 ; U20#6.1 172.96,58.51 172.3,57.85 172.3,57.65 172.15,57.5 171.41,57.5 170.98,57.93 U22#5.5 170.98,59.75 171.06,59.83 171.34,59.83 v1(171.73,60.22) 171.83,60.32 171.83,61.16 ; U20#6.1 175.14,59.44 v1(175.14,60.2) 175.14,61.58 175.84,62.28 176.81,62.28 176.92,62.18 U19#3.5 ; U20#6.1 176.07,59.58 K12#6.1 ; v1(187.37,63.05) 188.5,61.92 U17#8.1 ; U22#5.1 166.8,59.44 v1(166.8,60.2) 166.8,61.58 167.51,62.28 168.48,62.28 168.58,62.18 U21#5.5 ; U22#5.1 164.63,58.51 163.97,57.85 163.97,57.65 163.82,57.5 163.07,57.5 162.65,57.93 U24#6.5 162.65,59.75 162.73,59.83 163.01,59.83 v1(163.41,60.24) 163.5,60.32 163.5,61.16 ; v1(179.04,63.05) 180.17,61.92 U19#3.1 ; 17.59,58.57 17.65,58.51 ; U21#5.1 171.83,61.92 v1(170.7,63.05) ; 184.26,58.57 184.32,58.51 ; 59.26,58.57 59.32,58.51 ; v1(29.04,63.05) 30.17,61.92 U55.1 ; 225.92,58.57 225.98,58.51 ; U23#7.1 163.5,61.92 v1(162.37,63.05) ; U48#7.1 58.47,59.44 v1(58.47,60.2) 58.47,61.58 59.17,62.28 60.14,62.28 60.25,62.18 U47#4.5 ; v1(220.7,63.05) 221.83,61.92 U9#6.1 ; v1(87.37,63.05) 88.5,61.92 U41#4.1 ; U3#5.1 246.83,61.92 v1(245.7,63.05) ; v1(145.7,63.05) 146.83,61.92 U27#4.1 ; U30#10.1 131.29,58.51 130.64,57.85 130.64,57.65 130.49,57.5 129.74,57.5 129.32,57.93 U32#10.5 129.32,59.75 129.4,59.83 129.68,59.83 v1(130.1,60.25) 130.17,60.32 130.17,61.16 ; U30#10.1 133.47,59.44 v1(133.47,60.2) 133.47,61.58 134.17,62.28 135.14,62.28 135.25,62.18 U29#10.5 ; U32#10.1 122.96,58.51 122.3,57.85 122.3,57.65 122.15,57.5 121.41,57.5 120.98,57.93 U34#3.5 120.98,59.75 121.06,59.83 121.34,59.83 v1(121.78,60.27) 121.83,60.32 121.83,61.16 ; v1(37.37,63.05) 38.5,61.92 U53#9.1 ; 112.37,63.05 v1(112.39,63.04) 113.5,61.92 U35#5.1 ; 242.45,58.79 U4#5.1 ; U4#5.1 239.63,58.51 238.97,57.85 238.97,57.65 238.82,57.5 238.07,57.5 237.65,57.93 U6.5 237.65,59.75 237.73,59.83 238.01,59.83 v1(238.36,60.19) 238.5,60.32 238.5,61.16 ; U54.1 31.29,58.51 30.64,57.85 30.64,57.65 30.49,57.5 29.74,57.5 29.32,57.93 U56#10.5 29.32,59.75 29.4,59.83 29.68,59.83 v1(30.1,60.25) 30.17,60.32 30.17,61.16 ; U54.1 34.4,59.55 K24#10.1 ; 234.26,58.57 234.32,58.51 ; 200.92,58.57 200.98,58.51 ; 125.92,58.57 125.98,58.51 ; 100.92,58.57 100.98,58.51 ; v1(54.04,63.05) 55.17,61.92 U49#8.1 ; 250.92,58.57 250.98,58.51 ; v1(120.7,63.05) 121.83,61.92 U33#10.1 ; U58#2.1 14.63,58.51 13.97,57.85 13.97,57.65 13.82,57.5 13.07,57.5 12.65,57.93 U60#6.5 12.65,59.75 12.73,59.83 13.01,59.83 v1(13.41,60.24) 13.5,60.32 13.5,61.16 ; U34#3.1 116.8,59.44 v1(116.8,60.2) 116.8,61.58 117.51,62.28 118.48,62.28 118.58,62.18 U33#10.5 ; K19#8.1 42.73,59.62 U52#3.1 ; U37#3.1 105.17,61.92 v1(104.04,63.05) ; K29#5.1 9.4,59.55 U60#6.1 8.47,59.44 v1(8.47,60.5) 8.47,61.58 9.17,62.28 10.14,62.28 10.25,62.18 U59#6.5 ; 109.26,58.57 109.32,58.51 ; 34.26,58.57 34.32,58.51 ; 67.59,58.57 67.65,58.51 ; 142.59,58.57 142.65,58.51 ; 217.59,58.57 217.65,58.51 ; 50.92,58.57 50.98,58.51 ; 242.59,58.57 242.65,58.51 ; 92.59,58.57 92.65,58.51